# Allegro board Lay-45699_A.brd (continued)
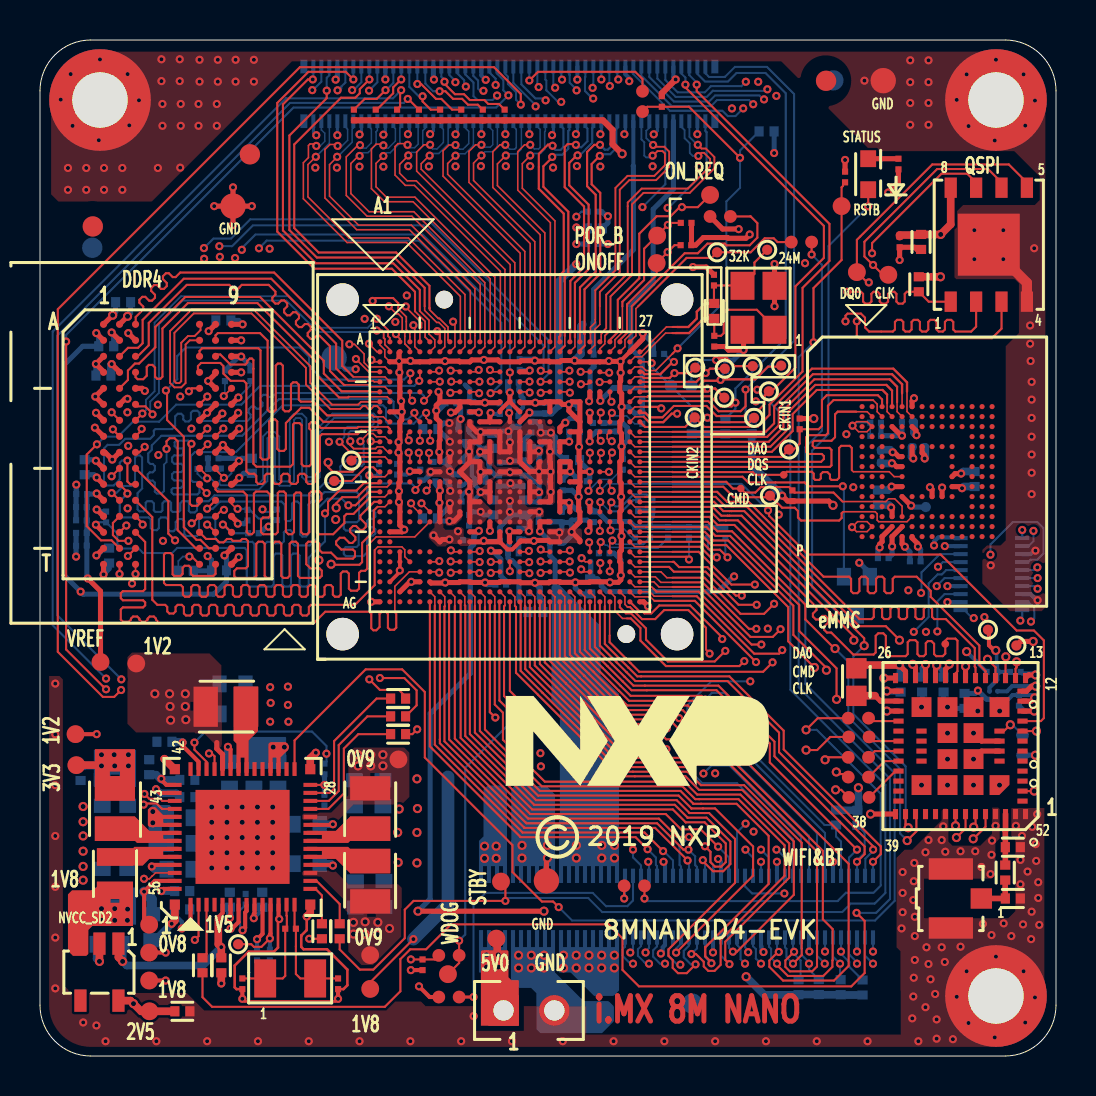
[diagram p0: board, top side]
## Routing (per net, layer and track width the routed paths; a pad name or vN(x,y) marks a point on that pad's centre or on a via; arc(x,y) is an arc through that point) (continued)
  L3_IN1 w0.076: v1(27.98,33.7) 29.09,33.7 31.04,31.74 31.63,31.74
  L3_IN1 w0.081: v1(35.86,33.31) 35.47,33.71 35.04,33.71 33.83,32.49 32.85,32.49 32.1,31.74 31.63,31.74
  BOTTOM w0.104: v1(23.27,7.76) 23.41,7.9 27.41,7.9 28.11,7.2 40.11,7.2 40.54,7.62 41.73,7.62 42.27,8.16 42.27,13.56 37.52,18.32 37.52,31.66 v1(35.86,33.31)
POR_B: length 91.3
  TOP w0.076: U1.B24 28.75,35.46 28.75,35.81 29.12,36.18 29.12,37.49
  TOP w0.104: v1(4.06,18.3) 3.71,17.96 3.14,17.96 0.89,20.21 0.89,37.34 12.99,49.44 22.7,49.44 24.04,48.1 v1(24.04,47.57) ; 29.12,37.49 29.12,37.71 30.2,38.8 30.2,40.37 TP9.1 v1(31.39,41.55) 31.49,41.66 R20.2 ; R114.2 18.62,16.09 v1(18.86,16.33)
  L3_IN1 w0.081: v1(18.86,16.33) 10.64,16.33 8.28,18.7 4.45,18.7 4.22,18.46 4.22,18.46 v1(4.06,18.3) ; v1(24.04,47.57) 24.04,47.34 25.12,46.26 25.12,44.09 26.19,43.02 32.04,43.02 32.47,42.6 32.47,42.29 31.73,41.55 v1(31.39,41.55)
  BOTTOM w0.104: v1(24.04,47.57) 23.8,47.81 23.8,48.19 23.4,48.6 23.4,48.97 23.27,49.09 J4.50
QSPIA_DATA0: length 33
  TOP w0.076: U1.P23 v1(28.45,29.21)
  TOP w0.104: U5.5 49.35,43.67 48.44,44.58 44.62,44.58 40.84,40.81 TP16.1 41.36,38.68 v1(41.44,38.68)
  L3_IN1 w0.081: v1(28.45,29.21) 35.53,29.21 37.88,31.55 37.88,32.21 41.96,36.29 41.96,38.16 v1(41.44,38.68)
QSPIA_DATA1: length 28.9
  TOP w0.076: U1.K24 28.36,31.08 28.36,30.86 28.49,30.74 v1(28.59,30.74)
  TOP w0.104: v1(40.27,36.73) 40.27,37.02 40.38,37.12 41.05,37.12 41.25,36.92 41.25,36.43 41.45,36.22 42.64,36.22 42.75,36.33 42.75,36.7 42.85,36.81 43.06,36.81 43.16,36.7 43.16,36.33 43.27,36.22 43.48,36.22 43.58,36.33 43.58,36.7 43.68,36.81 43.89,36.81 44,36.7 44,36.33 44.1,36.22 44.31,36.22 44.41,36.33 44.41,36.7 44.52,36.81 44.73,36.81 44.83,36.7 44.83,36.33 44.93,36.22 45.14,36.22 45.25,36.33 45.25,36.7 45.35,36.81 45.56,36.81 45.66,36.7 45.66,36.33 45.77,36.22 46.56,36.22 46.81,36.47 U5.2
  L3_IN1 w0.081: v1(40.27,36.73) 39.75,36.73 39.67,36.65 39.67,35.3 36.96,32.58 36.96,32.25 34.99,30.28 29.95,30.28 29.37,30.86 28.71,30.86 28.6,30.74 v1(28.59,30.74)
QSPIA_DATA2: length 27.8
  TOP w0.076: U1.K23 27.89,31.11 27.89,30.9 v1(28.03,30.76)
  TOP w0.104: U5.3 48.08,36.37 47.6,35.89 40.97,35.89 40.84,36.02 v1(40.84,36.74)
  L3_IN1 w0.081: v1(40.84,36.74) 40.84,37.21 40.76,37.29 39.51,37.29 39.43,37.21 39.43,35.34 36.75,32.67 36.75,32.34 35.05,30.63 30.18,30.63 29.69,31.12 28.39,31.12 v1(28.03,30.76)
QSPIA_DATA3: length 30.3
  TOP w0.076: v1(28.05,30.16) 27.99,30.1 U1.N23
  TOP w0.104: U5.7 46.81,43.67 46.36,44.12 45.08,44.12 41.6,40.64 v1(41.6,40.14)
  L3_IN1 w0.081: v1(28.05,30.16) 28.38,29.83 35.13,29.83 37.38,32.08 37.38,32.41 41.42,36.45 41.42,37.45 40.74,38.13 40.74,39.37 40.56,39.55 40.21,39.55 40.13,39.63 40.13,40.01 40.26,40.14 v1(41.6,40.14)
QSPIA_NSS0: length 29.5
  TOP w0.076: U1.N24 28.49,30.07 v1(28.6,30.17)
  TOP w0.104: v1(40.37,38.21) 41.05,38.21 41.15,38.11 41.15,37.72 41.26,37.62 41.47,37.62 41.57,37.72 41.57,38.11 41.68,38.21 41.88,38.21 41.99,38.11 41.99,37.72 42.09,37.62 42.3,37.62 42.4,37.72 42.4,38.11 42.51,38.21 42.72,38.21 42.82,38.11 42.82,37.72 42.92,37.62 43.13,37.62 43.24,37.72 43.24,38.11 43.34,38.21 R37.2 44.44,37.72 U5.1
  L3_IN1 w0.081: v1(28.6,30.17) 28.72,30.05 35.06,30.05 37.17,32.16 37.17,32.5 41.21,36.54 41.21,37.36 40.96,37.61 39.91,37.61 39.83,37.69 39.83,39.11 39.91,39.19 40.23,39.19 40.37,39.06 v1(40.37,38.21)
QSPIA_SCLK: length 33.9
  TOP w0.076: U1.N22 v1(27.49,30.16)
  TOP w0.104: U5.6 48.08,43.68 47.4,44.35 44.85,44.35 41.22,40.71 41.22,39.98 41.65,39.55 v1(41.65,39.55) 42.14,39.06 TP17.1
  L3_IN1 w0.081: v1(41.65,39.55) 41.93,39.55 41.96,39.52 41.96,39.2 41.88,39.12 41.15,39.12 41.02,38.99 41.02,38.25 41.12,38.15 41.44,38.15 41.66,37.94 41.66,36.39 37.64,32.38 37.64,31.88 35.32,29.55 28.1,29.55 v1(27.49,30.16)
REF_CLK_32K: length 43
  TOP w0.104: v2(38.3,16.31) 38.89,16.89 R115.1 ; U1.AG14 23.49,18.25 v1(25.5,16.25) ; R116.1 v1(30.22,7.87)
  L3_IN1 w0.081: v1(30.22,7.87) 30.78,8.43 30.78,10.77 26.96,14.6 26.96,14.98 25.69,16.25 v1(25.5,16.25)
  BOTTOM w0.104: v2(38.3,16.31) 38.84,16.31 42.04,13.11 42.04,8.53 41.67,8.16 40.3,8.16 39.88,7.74 30.35,7.74 v1(30.22,7.87)
RF_ANT0: length 2.1
  TOP w0.279: R44.1 48.26,7.88 L3.1 J2.1
RTC_RESET_B: length 96.8
  TOP w0.076: v1(28.57,32.71) 28.49,32.79 U1.F24
  TOP w0.104: v1(38.67,35.68) 38.67,38.4 40.08,39.8 TP8.1 40.08,43.43 40.15,43.5 40.15,43.58 R102.2 ; v1(40.83,7.16) 41.23,6.75 41.23,4.15 40.56,3.48 29.95,3.48 29.12,4.3 29.12,5.88 28.42,6.58 20.55,6.58 19.31,5.34 18.51,5.34 18.02,4.84 18.02,3.24 17.24,2.46 8.61,2.46 8.12,2.94 R111.2
  L3_IN1 w0.081: v1(28.57,32.71) 28.7,32.84 29.67,32.84 30.98,31.54 32.19,31.54 32.93,32.29 35.87,32.29 36.16,32.58 36.16,32.91 38.67,35.43 v1(38.67,35.68)
  BOTTOM w0.104: v1(40.83,7.16) 41.81,7.16 42.5,7.85 42.5,13.87 37.94,18.43 37.94,34.94 v1(38.67,35.68)
SAI1_MCLK: length 34.4
  TOP w0.076: v1(25.04,25.32) 25.15,25.21 U1.AB18
  L3_IN1 w0.081: v1(25.04,25.32) 25.66,24.7 25.66,21.1 26.84,19.93 30.08,16.68 30.08,15.97 31.19,14.86 33.73,14.86 37.59,11 37.59,7.97 37.31,7.7 37.31,4.8 37.28,4.77 37.28,4.46 37.59,4.14 41.18,4.14 v1(41.65,4.62)
  BOTTOM w0.104: v1(41.65,4.62) 41.25,5.02 J5.98
SAI1_RXC: length 35.1
  TOP w0.076: U1.AF16 24.74,22.96 24.74,22.5
  TOP w0.104: v1(36.94,5.2) 36.9,5.2 36.47,4.77 36.47,4.46 37.15,3.77 39.7,3.77 40.43,4.5 40.43,9.61 34.95,15.09 32.65,15.09 32.47,14.91 29.36,14.91 28.08,16.19 28.08,16.19 25.83,18.44 24.74,19.53 24.74,22.5
  BOTTOM w0.104: v1(36.94,5.2) 36.85,5.29 J5.76
SAI1_RXD0: length 28.8
  TOP w0.104: v1(37.65,4.62) 38.09,5.05 38.09,10.66 35.21,13.54 33.05,13.54 32.37,14.22 29.65,14.22 29.07,14.22 27.8,15.49 27.79,15.49 25.13,18.15 25.13,18.16 24.03,19.26 24.03,22.67 U1.AG15
  BOTTOM w0.104: v1(37.65,4.62) 37.32,4.94 37.32,5.36 37.25,5.43 J5.78
SAI1_RXD1: length 33.3
  TOP w0.076: 24.25,22.5 24.25,22.96 U1.AF15
  TOP w0.104: v1(37.7,5.21) 37.27,4.78 37.27,4.46 37.49,4.23 38.61,4.23 38.85,4.48 38.85,10.22 34.44,14.63 32.84,14.63 32.66,14.45 29.55,14.45 29.17,14.45 27.89,15.72 27.89,15.72 25.36,18.25 25.36,18.25 24.26,19.35 24.26,22.49 24.25,22.5
  BOTTOM w0.104: R76.1 38.03,3.92 38.03,4.77 37.7,5.1 v1(37.7,5.21) 37.65,5.27 J5.80
SAI1_RXD2: length 28.8
  TOP w0.104: v1(31.32,15.34) 31.25,15.27 29.32,15.27 28.18,16.42 28.18,16.42 26.06,18.54 24.99,19.6 U1.AG17
  L3_IN1 w0.081: v1(31.32,15.34) 31.34,15.34 31.48,15.21 33.8,15.21 37.8,11.2 37.8,5.72 38.07,5.45 38.07,4.99 v1(38.45,4.62)
  BOTTOM w0.104: R75.1 38.45,4.32 v1(38.45,4.62) 38.45,4.68 38.09,5.05 38.09,5.37 38.05,5.41 J5.82
SAI1_RXD3: length 28.8
  TOP w0.076: U1.AF17 25.24,22.96 25.24,22.55
  TOP w0.104: 25.24,22.55 25.24,19.68 26.29,18.63 26.29,18.63 28.27,16.65 29.34,15.59 30.37,15.59 v1(30.68,15.9)
  L3_IN1 w0.081: v1(39.24,4.62) 38.86,4.99 38.86,5.35 38.01,6.21 38.01,11.29 33.88,15.41 31.78,15.41 31.45,15.75 30.84,15.75 v1(30.68,15.9)
  BOTTOM w0.104: v1(39.24,4.62) 39.24,4.63 38.85,5.01 38.85,5.38 38.85,5.38 J5.86
SAI1_RXD4: length 26.4
  TOP w0.104: v1(31.97,15.81) 31.95,15.83 31.31,15.83 30.77,16.37 28.88,16.37 28.37,16.88 26.52,18.73 26.52,18.73 25.49,19.76 U1.AG18
  L3_IN1 w0.081: v1(39.25,5.22) 39.25,5.57 38.21,6.61 38.21,11.38 33.97,15.62 32.63,15.62 32.48,15.78 32.01,15.78 v1(31.97,15.81)
  BOTTOM w0.104: J5.88 v1(39.25,5.22)
SAI1_RXD5: length 29.5
  TOP w0.076: 25.75,22.52 25.75,22.96 U1.AF18
  TOP w0.104: 25.75,22.52 25.75,19.83 26.75,18.83 26.75,18.82 28.46,17.11 28.98,16.6 31.19,16.6 31.29,16.5 31.29,16.44 v1(31.34,16.38)
  L3_IN1 w0.081: v1(40,4.61) 39.62,5 39.62,5.5 38.42,6.69 38.42,11.46 34.06,15.83 33.01,15.83 32.62,16.22 31.46,16.22 31.34,16.33 v1(31.34,16.38)
  BOTTOM w0.104: J5.90 39.65,4.97 v1(40,4.61) 40,3.84 R72.1
SAI1_RXD6: length 28.5
  TOP w0.104: v1(32.96,16.4) 32.86,16.3 31.99,16.3 31.46,16.83 29.07,16.83 28.56,17.34 28.56,17.34 26.98,18.92 26.98,18.92 25.99,19.91 U1.AG19
  L3_IN1 w0.081: v1(32.96,16.4) 33.33,16.04 34.14,16.04 38.63,11.55 38.63,6.78 40.05,5.36 v1(40.05,5.22)
  BOTTOM w0.104: J5.92 v1(40.05,5.22) 40.05,5.11 40.47,4.69 40.47,4.46 R71.1
SAI1_RXD7: length 28.7
  TOP w0.076: 26.24,22.53 26.24,22.96 U1.AF19
  TOP w0.104: 26.24,22.53 26.24,19.99 27.21,19.02 27.21,19.02 28.66,17.57 28.66,17.57 29.17,17.06 31.74,17.06 31.91,16.89 v1(31.95,16.89)
  L3_IN1 w0.081: v1(40.85,4.62) 40.42,5.04 40.42,5.38 38.84,6.96 38.84,11.64 34.23,16.25 33.64,16.25 33.11,16.78 32.1,16.78 32.01,16.87 31.98,16.87 v1(31.95,16.89)
  BOTTOM w0.104: v1(40.85,4.62) 40.85,4.68 40.47,5.06 40.47,5.07 40.45,5.08 J5.94
SAI1_RXFS: length 32.6
  TOP w0.104: v1(36.85,4.62) 36.85,4.55 37.4,4 39.16,4 39.62,4.46 39.62,4.77 39.63,4.79 39.63,6.34 39.14,6.83 39.14,10.26 34.54,14.86 32.75,14.86 32.56,14.68 29.46,14.68 29.46,14.68 29.26,14.68 27.99,15.96 27.99,15.96 25.6,18.35 24.49,19.45 U1.AG16
  BOTTOM w0.104: v1(36.85,4.62) 36.56,4.91 36.56,5.36 36.45,5.46 J5.74
SAI1_TXC: length 23.8
  TOP w0.076: v1(25.03,24.73) 25.04,24.71 U1.AC18
  L3_IN1 w0.081: v1(25.03,24.73) 25.41,24.34 25.41,20.87 29.88,16.41 29.88,15.88 31.64,14.12 v1(33.17,14.12)
  BOTTOM w0.104: J5.81 38.05,10.95 34.48,14.52 33.57,14.52 v1(33.17,14.12)
SAI1_TXD0: length 21.1
  TOP w0.104: U1.AG20 26.49,20.06 27.44,19.11 28.75,17.8 28.75,17.8 29.26,17.29 32.14,17.29 32.64,16.79 33.35,16.79 v1(33.52,16.96)
  BOTTOM w0.104: J5.83 38.45,9.54 38.46,9.55 38.46,9.87 38.45,9.88 38.45,11.01 33.76,15.7 33.76,16.72 v1(33.52,16.96)
SAI1_TXD1: length 21.8
  TOP w0.076: U1.AF20 26.74,22.96 26.74,22.56
  TOP w0.104: 26.74,22.56 26.74,20.14 27.68,19.21 28.85,18.04 28.85,18.04 29.36,17.53 32.39,17.53 32.63,17.29 32.7,17.29 v1(32.75,17.24)
  BOTTOM w0.104: v1(32.75,17.24) 32.78,17.26 32.81,17.26 32.89,17.34 33.67,17.34 34.06,16.96 34.06,15.93 38.85,11.14 J5.85
SAI1_TXD2: length 21.6
  TOP w0.104: v1(34.18,17.39) 33.63,17.39 33.6,17.41 33.13,17.41 32.78,17.76 29.45,17.76 28.94,18.27 28.94,18.27 27.91,19.3 26.99,20.22 U1.AG21
  BOTTOM w0.104: v1(34.18,17.39) 34.58,17.39 34.93,17.05 34.93,15.47 39.25,11.15 J5.87
SAI1_TXD3: length 23.1
  TOP w0.076: U1.AF21 27.24,22.96 27.24,22.52
  TOP w0.104: 27.24,22.52 27.24,20.3 28.14,19.4 28.14,19.4 29.04,18.5 29.04,18.5 29.53,18.01 33.07,18.01 v1(33.26,17.82)
  BOTTOM w0.104: v1(33.26,17.82) 33.6,18.15 34.22,18.15 35.26,17.12 35.26,15.52 39.23,11.55 R97.1 39.8,10.98 40.05,10.73 J5.91
SAI1_TXD4: length 21.9
  TOP w0.104: U1.AG22 27.49,20.37 28.37,19.5 28.37,19.49 29.13,18.73 29.58,18.29 30.34,18.29 33.83,18.29 36.49,15.62 36.49,14.68 v1(40.85,10.32)
  BOTTOM w0.104: v1(40.85,10.32) 40.85,10.32 40.45,9.92 J5.93
SAI1_TXD5: length 24.7
  TOP w0.076: 27.74,22.54 27.74,22.96 U1.AF22
  TOP w0.104: 27.74,22.54 27.74,20.45 28.6,19.59 28.6,19.59 29.23,18.96 29.67,18.52 30.25,18.52 30.25,18.52 33.92,18.52 36.72,15.72 36.72,14.99 41.23,10.48 41.23,10.09 v1(40.85,9.71)
  BOTTOM w0.104: R95.1 41.23,11.17 41.23,10.16 40.85,9.78 v1(40.85,9.71) J5.95
SAI1_TXD6: length 22.2
  TOP w0.104: U1.AG23 27.99,20.53 28.83,19.69 28.83,19.69 29.33,19.19 29.77,18.75 30.15,18.75 34.37,18.75 36.95,16.17 36.95,15.19 41.66,10.48 v1(41.66,10.32)
  BOTTOM w0.104: v1(41.66,10.32) 41.66,10.26 41.27,9.87 41.27,9.02 J5.97
SAI1_TXD7: length 22.9
  TOP w0.076: 28.24,22.49 28.24,22.96 U1.AF23
  TOP w0.104: v1(41.65,9.71) 42.04,10.1 42.04,10.48 37.18,15.33 37.18,16.27 34.47,18.98 30.06,18.98 29.87,18.98 29.42,19.42 29.42,19.42 29.06,19.78 29.06,19.78 28.24,20.6 28.24,22.49
  BOTTOM w0.104: J5.99 v1(41.65,9.71)
SAI1_TXFS: length 30.2
  TOP w0.076: U1.AB19 26.43,25.21 v1(26.49,25.28)
  L3_IN1 w0.081: v1(26.49,25.28) 25.99,24.77 25.99,21.16 29.25,17.91 32.61,17.91 33.15,17.37 33.63,17.37 33.91,17.09 33.91,16.86 39.05,11.72 39.05,7.83 v1(41.65,5.22)
  BOTTOM w0.104: J5.100 v1(41.65,5.22)
SAI2_MCLK: length 38.7
  TOP w0.076: v1(26.5,24.17) 26.43,24.17 26.39,24.21 U1.AD19
  L3_IN1 w0.081: v1(26.5,24.17) 26.42,24.09 26.42,21.43 29.39,18.47 34.01,18.47 40.02,12.46 40.02,8.49 41.2,7.31 41.2,6.56 42.23,5.53 42.23,4.38 41.58,3.73 36.12,3.73 35.25,4.6 v1(35.25,4.62)
  BOTTOM w0.104: v1(35.25,4.62) 35.03,4.84 35.03,5.38 34.85,5.55 J5.66
SAI2_RXC: length 28.6
  TOP w0.076: v1(27.45,25.69) 27.49,25.65 U1.AB22
  L3_IN1 w0.076: 30.06,21.21 30.06,23.65 28.7,25.02
  L3_IN1 w0.081: 28.7,25.02 28.13,25.02 v1(27.45,25.69) ; 30.06,21.21 30.06,20.52 31.04,19.55 34.59,19.55 35.4,18.73 v1(35.51,18.73)
  BOTTOM w0.104: v1(35.51,18.73) 33.57,18.73 32.37,17.54 32.37,14.38 33.12,13.64 34.85,13.64 37.65,10.84 J5.79
SAI2_RXD: length 19.7
  TOP w0.076: v1(28.49,24.23) 28.49,24.24 U1.AC24
  TOP w0.104: R132.2 40.26,14.1 39.92,14.1 v2(39.82,14.2)
  L3_IN1 w0.081: v2(39.82,14.2) 39.73,14.2 39.65,14.28 39.65,15.38 39.13,15.9 37.82,15.9 34.39,19.34 29.85,19.34 28.04,21.14 28.04,23.79 v1(28.49,24.23)
SAI2_RXD_RES: length 1.8
  TOP w0.104: U6.34 42.23,14.75 R132.1
SAI2_RXFS: length 38.6
  TOP w0.076: U1.AC19 26.47,24.71 v1(26.49,24.73)
  L3_IN1 w0.081: v1(35.41,5.19) 35.41,4.98 35.62,4.77 35.62,4.52 36.21,3.93 41.49,3.93 42.02,4.46 42.02,5.38 39.25,8.14 39.25,12.84 33.9,18.19 29.26,18.19 26.15,21.3 26.15,24.39 v1(26.49,24.73)
  BOTTOM w0.104: v1(35.41,5.19) 35.41,5.28 35.25,5.44 J5.68
SAI2_TXC: length 20.4
  TOP w0.076: U1.AD22 27.18,24.21 v1(27.06,24.33)
  TOP w0.104: R131.2 40.06,13.31 v2(39.78,13.31)
  L3_IN1 w0.081: v2(39.78,13.31) 39.78,13.31 39.53,13.31 34.13,18.71 29.59,18.71 27.14,21.16 27.14,24.25 v1(27.06,24.33)
SAI2_TXC_RES: length 2
  TOP w0.104: U6.35 42.77,14.25 R131.1
SAI2_TXD: length 20.1
  TOP w0.076: U1.AC22 27.26,24.71 v1(27.08,24.89)
  TOP w0.104: v2(38.3,15.3) 38.86,15.3 39.51,15.95 R130.2
  L3_IN1 w0.081: v2(38.3,15.3) 37.84,15.3 34.21,18.92 29.68,18.92 27.43,21.16 27.43,24.54 v1(27.08,24.89)
SAI2_TXD_RES: length 1.6
  TOP w0.104: U6.32 41.66,15.75 R130.1
SAI2_TXFS: length 19.8
  TOP w0.076: U1.AD23 27.99,24.54 28.01,24.56 v1(28.01,24.65)
  TOP w0.104: v2(39.25,14.81) 39.38,14.94 R129.2
  L3_IN1 w0.081: v1(28.01,24.65) 27.81,24.45 27.81,21.08 29.76,19.13 34.3,19.13 37.73,15.69 39.05,15.69 39.25,15.49 v2(39.25,14.81)
SAI2_TXFS_RES: length 1.6
  TOP w0.104: U6.33 41.74,15.25 R129.1
SAI3_MCLK: length 20.1
  TOP w0.076: U1.AD6 19.87,24.21 19.9,24.17 v1(19.96,24.17)
  L3_IN1 w0.081: v1(29.65,10.32) 29.65,11.53 26.75,14.42 26.75,14.87 25.74,15.88 25.34,15.88 25.07,16.15 25.07,16.75 19.89,21.94 19.89,24.1 v1(19.96,24.17)
  BOTTOM w0.104: v1(29.65,10.32) 29.65,9.93 30.05,9.53 J5.41
SAI3_RXC: length 22.7
  TOP w0.104: U1.AG7 19.99,15.83 19.99,15.64 24.23,11.41 30.76,11.41 32.34,9.83 32.34,9.82 v1(32.38,9.77)
  BOTTOM w0.104: J5.53 32.45,9.7 v1(32.38,9.77)
SAI3_RXD: length 23.5
  TOP w0.076: U1.AF7 20.24,22.96 20.24,22.49
  TOP w0.104: 20.24,22.49 20.22,22.48 20.22,15.73 24.32,11.64 30.85,11.64 32.17,10.32 v1(32.42,10.32)
  BOTTOM w0.104: v1(32.42,10.32) 32.76,9.98 32.76,9.54 32.85,9.45 J5.55
SAI3_RXFS: length 23.1
  TOP w0.104: v1(32.45,10.95) 31.86,10.95 30.95,11.87 24.42,11.87 20.46,15.83 20.46,22.67 U1.AG8
  BOTTOM w0.104: v1(32.45,10.95) 31.98,10.48 31.98,9.55 32.05,9.48 J5.51
SAI3_TXC: length 21.8
  TOP w0.104: U1.AG6 19.49,15.48 24.03,10.94 29.78,10.94 v1(30.38,10.34)
  BOTTOM w0.104: J5.45 30.85,9.5 30.79,9.55 30.79,9.92 v1(30.38,10.34)
SAI3_TXD: length 22.8
  TOP w0.076: U1.AF6 19.74,22.96 19.74,22.52
  TOP w0.104: v1(31.15,10.24) 30.22,11.17 24.13,11.17 24.12,11.19 19.74,15.56 19.74,22.52
  BOTTOM w0.104: v1(31.15,10.24) 31.18,10.24 31.65,9.78 J5.49
SAI3_TXFS: length 21.5
  TOP w0.076: U1.AC6 19.93,24.71 v1(19.96,24.74)
  L3_IN1 w0.081: v1(30.41,9.71) 29.66,9.71 29.12,10.25 29.12,11.75 26.54,14.33 26.54,14.78 25.66,15.67 25.26,15.67 24.74,16.19 24.74,16.68 19.61,21.81 19.61,24.39 v1(19.96,24.74)
  BOTTOM w0.104: J5.43 30.45,9.67 v1(30.41,9.71)
SAI5_MCLK: length 22.5
  TOP w0.076: U1.AD15 24.39,24.21 24.46,24.14 v1(24.47,24.14)
  L3_IN1 w0.081: v1(36.82,10.32) 36.82,10.88 34.32,13.39 31.78,13.39 29.46,15.71 29.46,16.11 24.4,21.17 24.4,24.08 v1(24.47,24.14)
  BOTTOM w0.104: v1(36.82,10.32) 36.85,10.32 37.25,9.92 J5.77
SAI5_RXFS: length 29.8
  TOP w0.076: 24.44,25.24 24.4,25.21 U1.AB15
  TOP w0.084: 24.44,25.24 v1(24.45,25.25)
  L3_IN1 w0.081: v1(36.05,4.62) 36.05,4.62 35.8,4.87 35.8,5.35 36.42,5.97 36.42,10.47 36.2,10.69 35.68,10.69 33.8,12.57 32.01,12.57 29.04,15.54 29.04,15.94 23.84,21.14 23.84,24.64 v1(24.45,25.25)
  BOTTOM w0.104: v1(36.05,4.62) 35.79,4.87 35.79,5.35 35.65,5.49 J5.70
SD1_CLK: length 27.8
  TOP w0.076: 30.4,26.96 29.75,26.96 U1.V26
  TOP w0.104: U6.20 45.78,19.13 45.87,19.23 45.87,20.76 45.77,20.87 45.37,20.87 45.26,20.76 TP11.1 45.26,20.12 45.14,19.99 44.81,19.99 44.71,20.1 44.71,20.61 44.57,20.74 44.39,20.74 44.29,20.64 44.29,20.1 44.18,19.99 43.98,19.99 43.87,20.1 43.87,20.69 43.77,20.79 43.49,20.79 43.38,20.69 43.38,20.1 43.28,19.99 42.42,19.99 42.29,20.12 42.29,21.01 42.17,21.13 41.91,21.13 41.78,21.01 41.78,20.18 41.68,20.07 40.66,20.07 39.56,21.17 39.35,21.17 39.21,21.31 39.21,21.47 39.41,21.68 39.41,21.86 39.26,22 39.12,22 38.94,21.83 38.79,21.83 38.65,21.97 38.65,22.12 38.82,22.3 38.82,22.44 34.72,26.55 34.19,26.55 33.88,26.55 33.48,26.96 30.4,26.96
SD1_CMD: length 23.1
  TOP w0.104: U6.15 48.28,19.94 48.29,19.96 v2(48.29,19.96) ; v2(40.69,20.79) 40.69,20.98 34.89,26.78 34.29,26.78 33.97,26.78 33.55,27.21 U1.V27
  L3_IN1 w0.081: v2(48.29,19.96) 48.29,20.34 47.85,20.78 46.05,20.78 45.64,20.37 42.7,20.37 42.16,20.91 40.82,20.91 v2(40.69,20.79)
SD1_DATA0: length 24
  TOP w0.076: 31.63,26.21 U1.Y27
  TOP w0.104: U6.14 48.78,19.36 48.82,19.41 48.82,19.45 48.83,19.46 v2(48.83,19.71) ; v2(39.32,19.29) 39.32,19.4 37.67,21.06 37.67,22.51 34.41,25.77 33.68,25.77 33.24,26.21 31.63,26.21
  L3_IN1 w0.081: v2(39.32,19.29) 39.48,19.29 39.48,19.29 42.36,19.29 42.83,18.82 47.95,18.82 v2(48.83,19.71)
SD1_DATA1: length 23.5
  TOP w0.076: U1.Y26 29.74,25.96 30.4,25.96
  TOP w0.104: 30.4,25.96 33.16,25.96 33.58,25.54 34.31,25.54 37.41,22.45 37.41,20.74 v2(38.72,19.43) ; v2(47.38,19.84) 47.78,19.44 U6.16
  L3_IN1 w0.081: v2(38.72,19.43) 38.72,19.47 38.94,19.69 42.26,19.69 42.87,19.08 46.62,19.08 v2(47.38,19.84)
SD1_DATA2: length 26.3
  TOP w0.076: 31.63,28.21 U1.T27
  TOP w0.104: U6.17 47.28,19.25 46.97,19.56 46.97,20.52 44.54,22.95 44.54,23.26 43.83,23.96 42.74,23.96 42.64,23.86 42.64,23.25 42.53,23.14 42.32,23.14 42.22,23.25 42.22,23.86 42.12,23.96 41.91,23.96 41.8,23.86 41.8,23.25 41.7,23.14 41.49,23.14 41.39,23.25 41.39,23.86 41.28,23.96 41.07,23.96 40.97,23.86 40.97,23.25 40.87,23.14 40.66,23.14 40.55,23.25 40.55,23.86 40.45,23.96 39.18,23.96 35.57,27.57 35.43,27.71 34.76,27.71 34.76,27.71 34.67,27.71 34.67,27.71 34.36,27.71 33.86,28.21 31.63,28.21
SD1_DATA3: length 25.9
  TOP w0.076: U1.T26 29.75,27.96 30.25,27.96
  TOP w0.104: 30.25,27.96 33.78,27.96 34.26,27.48 34.58,27.48 34.58,27.48 34.67,27.48 35.34,27.48 40.97,21.85 41.58,21.85 41.69,21.95 41.69,22.35 41.79,22.46 42,22.46 42.1,22.35 42.1,21.95 42.21,21.85 42.42,21.85 42.52,21.95 42.52,22.35 42.63,22.46 42.83,22.46 42.94,22.35 42.94,21.95 43.04,21.85 43.25,21.85 43.35,21.95 43.35,22.35 43.46,22.46 43.67,22.46 43.77,22.35 43.77,21.95 43.88,21.85 44.08,21.85 44.19,21.95 44.19,22.35 44.29,22.46 44.5,22.46 44.6,22.35 44.6,21.95 44.71,21.85 45.29,21.85 46.74,20.4 46.74,19.47 46.78,19.43 U6.18
SD1_STROBE: length 43.2
  TOP w0.076: U1.R24 28.49,28.35 v1(28.58,28.26)
  L3_IN1 w0.081: v1(27.66,47.87) 27.85,47.87 28.17,47.55 30.92,47.55 31.54,46.93 33.29,46.93 34.7,45.52 40.06,45.52 40.79,44.79 40.79,41.76 42.27,40.28 42.27,36.31 38.09,32.12 38.09,31.47 34.92,28.3 28.62,28.3 v1(28.58,28.26)
  BOTTOM w0.104: J4.70 27.27,48.96 27.25,48.94 27.25,48.25 27.62,47.87 v1(27.66,47.87)
SD2_CLK: length 46.2
  TOP w0.076: U1.W23 v1(27.99,26.25)
  L3_IN1 w0.081: v1(27.99,26.25) 27.99,26.78 28.09,26.87 34.65,26.87 43.66,35.89 43.66,43.41 40.69,46.38 34.72,46.38 33.25,47.86 31.7,47.86 31.18,48.37 28.57,48.37 28.49,48.45 v1(28.49,48.5)
  BOTTOM w0.104: v1(28.49,48.5) 28.49,48.64 28.47,48.66 J4.76
SD2_CMD: length 47.5
  TOP w0.076: v1(28.53,26.28) 28.49,26.31 U1.W24
  L3_IN1 w0.081: v1(28.53,26.28) 28.56,26.28 28.63,26.34 34.6,26.34 44.18,35.92 44.18,43.42 40.69,46.92 34.53,46.92 33.25,48.2 31.89,48.2 30.97,49.11 29.2,49.11 v1(28.91,48.83)
  BOTTOM w0.076: v1(28.53,26.28) 28.58,26.34 29.22,26.34 29.39,26.16 29.39,26.12 29.6,25.92 R120.2
  BOTTOM w0.104: v1(28.91,48.83) 28.91,48.88 28.87,48.93 J4.78
SD2_DATA0: length 51.5
  TOP w0.076: U1.AB23 27.99,25.66 v1(28.03,25.7)
  L3_IN1 w0.081: v1(28.03,25.7) 28.03,25.68 28.33,25.38 35.77,25.38 41.4,31.01 41.4,32.2 44.6,35.4 44.6,43.6 40.77,47.43 40.19,47.43 35.82,47.43 v1(35.66,47.59)
  BOTTOM w0.076: v1(28.03,25.7) 28.1,25.7 28.26,25.54 28.37,25.54 28.48,25.43 29.08,25.43 29.11,25.4 29.57,25.4
  BOTTOM w0.104: R119.2 30.9,25.4 29.57,25.4 29.57,25.4 ; J4.84 30.07,49.02 31.59,47.49 33.55,47.49 33.85,47.8 35.45,47.8 v1(35.66,47.59)
SD2_DATA1: length 48.2
  TOP w0.076: v1(28.62,25.77) 28.49,25.65 U1.AB24
  L3_IN1 w0.081: v1(28.62,25.77) 28.74,25.65 34.21,25.65 44.39,35.84 44.39,43.51 40.68,47.22 40.28,47.22 40.28,47.22 35.24,47.22 35.16,47.3 v1(35.16,47.38)
  BOTTOM w0.076: v1(28.62,25.77) 28.8,25.59 29.54,25.59
  BOTTOM w0.104: 29.54,25.59 30.17,25.59 R122.2 ; J4.82 29.67,49.09 31.5,47.26 34.12,47.26 34.39,47 34.77,47 v1(35.16,47.38)
SD2_DATA2: length 47.5
  TOP w0.076: U1.V24 28.49,27.61 v1(28.57,27.68)
  L3_IN1 w0.081: v1(28.57,27.68) 28.74,27.51 30.18,27.51 30.26,27.59 30.26,27.78 30.34,27.87 30.5,27.87 30.58,27.78 30.58,27.59 30.66,27.51 30.83,27.51 30.91,27.59 30.91,27.78 30.99,27.87 31.15,27.87 31.23,27.78 31.23,27.59 31.31,27.51 31.48,27.51 31.56,27.59 31.56,27.78 31.71,27.94 34.93,27.94 38.29,31.31 38.29,32.04 42.55,36.29 42.55,41.02 42.04,41.53 42.04,43.97 40.28,45.73 34.79,45.73 33.38,47.14 31.63,47.14 31.01,47.76 28.3,47.76 27.65,48.41 v1(27.63,48.41)
  BOTTOM w0.104: v1(27.63,48.41) 27.67,48.44 J4.72 ; R123.2 30.33,28.08 29.68,28.08 29.09,27.48 28.77,27.48 v1(28.57,27.68)
SD2_DATA3: length 48.8
  TOP w0.076: U1.V23 27.99,27.67 v1(28.02,27.69)
  L3_IN1 w0.081: v1(28.07,48.83) 28.07,48.28 28.34,48.01 31.06,48.01 31.51,47.55 33.26,47.55 34.87,45.94 40.61,45.94 43.35,43.19 43.35,36.44 39.09,32.18 39.09,31.7 34.67,27.28 34.06,27.28 33.98,27.36 33.98,27.48 33.9,27.56 33.74,27.56 33.66,27.48 33.66,27.36 33.57,27.28 33.41,27.28 33.33,27.36 33.33,27.48 33.25,27.56 33.09,27.56 33.01,27.48 33.01,27.36 32.92,27.28 32.76,27.28 32.68,27.36 32.68,27.48 32.6,27.56 32.44,27.56 32.36,27.48 32.36,27.36 32.27,27.28 28.42,27.28 v1(28.02,27.69)
  BOTTOM w0.076: 28.48,27.23 v1(28.02,27.69)
  BOTTOM w0.104: R124.2 29.66,27.79 29.09,27.23 28.48,27.23 ; J4.74 v1(28.07,48.83)
SD2_NCD: length 49.4
  TOP w0.076: 30.31,25.46 29.74,25.46 U1.AA26
  TOP w0.104: 30.31,25.46 33.01,25.46 33.54,24.93 v1(33.84,24.93)
  L3_IN1 w0.081: v1(36.37,48.34) 36.9,48.87 40.2,48.87 45.85,43.23 45.85,36.06 42.21,32.43 42.21,31.05 35.73,24.56 34.21,24.56 v1(33.84,24.93)
  BOTTOM w0.104: J4.88 30.87,48.87 31.78,47.95 33.34,47.95 33.64,48.26 36.29,48.26 v1(36.37,48.34) ; R121.2 33.39,25.38 v1(33.84,24.93)
SD2_NRST: length 50.3
  TOP w0.076: 30.35,24.96 29.74,24.96 U1.AB26
  TOP w0.104: 30.35,24.96 32.31,24.96 v1(32.45,24.83)
  L3_IN1 w0.076: 42.58,31.42 42.58,30.85 41.96,30.23 41.96,29.25 40.13,27.41
  L3_IN1 w0.081: v1(35.29,48.71) 35.81,49.23 40.14,49.23 46.1,43.27 46.1,36.02 42.58,32.5 42.58,31.42 ; v1(32.45,24.83) 32.92,24.36 35.82,24.36 38.24,26.77 39.48,26.77 40.13,27.41
  BOTTOM w0.104: J4.90 31.27,48.8 31.88,48.19 33.24,48.19 33.55,48.49 35.07,48.49 v1(35.29,48.71) ; R133.2 v1(32.45,24.83)
SD2_VSEL: length 27
  TOP w0.104: v1(5.22,13.1) 5.46,12.86 6.01,12.86 6.11,12.76 U8.45
  TOP w0.112: v1(22.76,16.92) 22.49,17.19 U1.AG12
  L3_IN1 w0.081: v1(5.22,13.1) 5.24,13.1 5.37,12.97 5.96,12.97 6.71,13.72 6.71,14.07 8.54,15.9 21.74,15.9 v1(22.76,16.92)
SD2_WP: length 47.6
  TOP w0.104: v1(34.38,24.93) 34,25.31 33.48,25.31 33.09,25.71 U1.AA27
  L3_IN1 w0.081: v1(34.38,24.93) 35.81,24.93 42.01,31.14 42.01,32.52 45.46,35.97 45.46,43.15 40.98,47.63 40.11,47.63 36.36,47.63 36.2,47.79 v1(36.2,47.83)
  BOTTOM w0.104: v1(34.38,24.93) 34.27,25.04 R126.2 ; v1(36.2,47.83) 36.17,47.83 35.97,48.03 33.76,48.03 33.45,47.72 31.69,47.72 30.47,48.94 J4.86
SD3_CLK: length 16
  TOP w0.076: 31.63,28.46 29.74,28.46 U1.R26 ; 40.13,27.18 40.16,27.21 41.76,27.21 41.86,27.12 41.86,26.79 41.93,26.72 43.35,26.72 U4.M6
  TOP w0.104: 31.63,28.46 34.16,28.46 34.69,27.94 34.86,27.94 34.86,27.94 36.42,27.94 TP34.1 36.51,28.02 37.11,27.41 37.73,27.41 37.9,27.25 37.9,26.93 38.05,26.77 39.96,26.77 40.08,26.9 40.08,27.14 40.13,27.18
SD3_CMD: length 14.5
  TOP w0.076: 40.13,27.72 42.29,27.72 42.43,27.86 42.74,27.86 43.1,27.49 U4.M5 ; U1.R27 31.63,28.71
  TOP w0.104: 40.13,27.72 39.68,28.17 37.73,28.17 R118.2 37.45,28.45 36.68,28.45 36.68,28.45 36.32,28.45 36.32,28.45 36.04,28.45 35.76,28.17 35.24,28.17 TP35.1 34.65,28.37 34.31,28.71 31.63,28.71
SD3_DATA0: length 15.6
  TOP w0.076: 31.63,29.96 29.75,29.96 U1.M26
  TOP w0.104: 31.63,29.96 37.08,29.96 TP36.1 37.69,30.33 37.98,30.62 R117.2 38.93,31.34 39.1,31.5 39.1,32.8 39.34,33.04 41.9,33.04 42.1,32.83 U4.A3
SD3_DATA1: length 15.9
  TOP w0.076: U1.L26 29.74,30.46 31.63,30.46
  TOP w0.104: 31.63,30.46 36.52,30.46 37.4,31.34 37.4,32.19 38.76,33.56 42.32,33.56 ; 42.6,33.27 U4.A4
  TOP w0.114: 42.32,33.56 42.6,33.27
